# Altium PCB ASP-1-v0.11.PcbDoc (part 3 of 3) (continued)
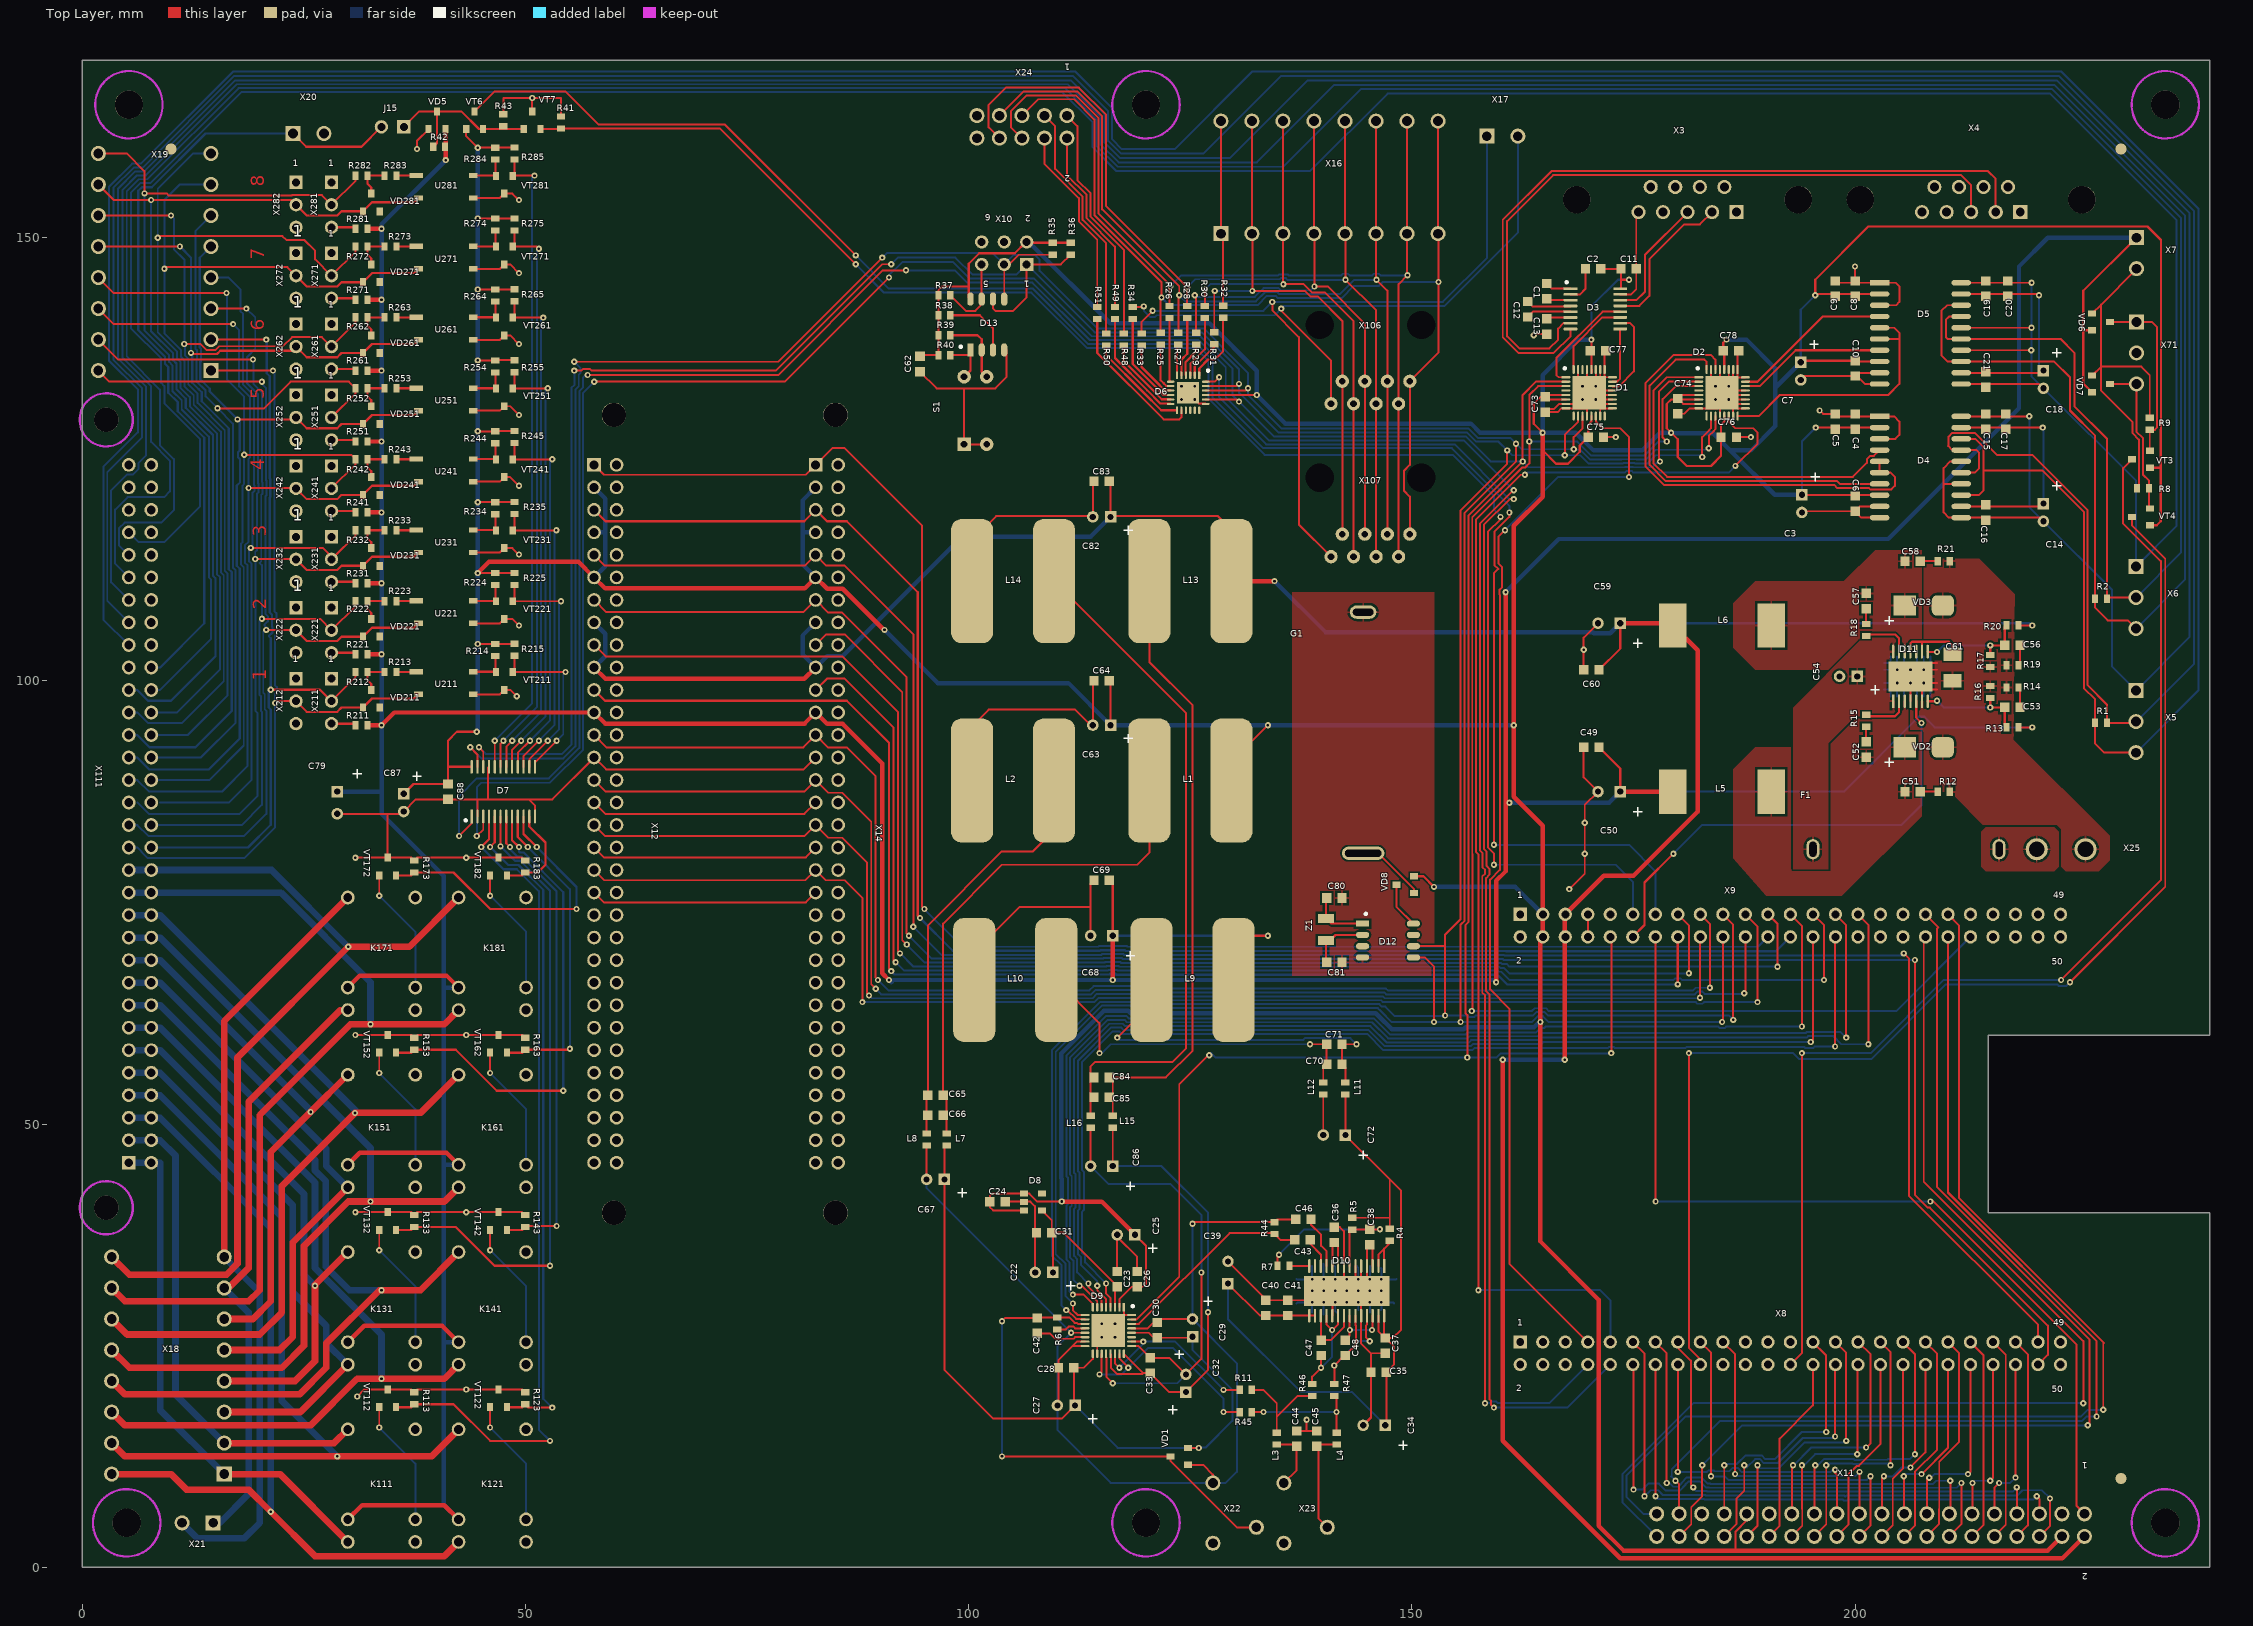
[diagram p0: Top Layer view]
## Nets (pads, with @x,y where several pads share a name; then routed paths per layer and width w, separated by ;. In a path a pad name is that pad's centre, name@x,y a point inside that pad or via, vN(x,y) a via of type N, cw(c..) or ccw(c..) an arc to the next point about the centre after c; other vN are vias at no path point) (continued)
  Bottom Layer w0.25: v1(45,81.25) 47.5,78.75 49,78.75 51.5,76.25 51.5,15.5 v1(52.75,14.25)
ON2: D7.5 R123.2 VT122.2 | length 75.9
  Top Layer w0.25: v1(46,81.25) 46.525,81.775 D7.5@46.525,84.7 ; VT122.2@47.89,18.05 49.615,18.05 R123.2@49.94,18.375 50.315,18 v1(53,18)
  Bottom Layer w0.25: v1(46,81.25) 48.03,79.22 49.195,79.22 52,76.415 52,19 v1(53,18)
ON3: D7.6 R133.2 VT132.2 | length 72.7
  Top Layer w0.25: VT132.2@35.39,38.05 37.115,38.05 R133.2@37.44,38.375 42.125,38.375 46.5,34 v1(52.75,34) ; v1(47.175,81.325) D7.6@47.175,84.7
  Bottom Layer w0.25: v1(47.175,81.325) 48.81,79.69 49.389,79.69 52.75,76.329 v1(52.75,34)
ON4: D7.7 R143.2 VT142.2 | length 54.6
  Top Layer w0.25: D7.7@47.825,84.7 47.825,81.675 v1(48.25,81.25) ; VT142.2@47.89,38.05 49.615,38.05 R143.2@49.94,38.375 50.065,38.5 v1(53.5,38.5)
  Bottom Layer w0.25: v1(48.25,81.25) 48.25,81 49.09,80.16 49.584,80.16 53.5,76.244 v1(53.5,38.5)
ON5: D7.8 R153.2 VT152.2 | length 54.5
  Top Layer w0.25: VT152.2@35.39,58.05 37.115,58.05 R153.2@37.44,58.375 42.125,58.375 46.75,53.75 v1(54.25,53.75) ; D7.8@48.475,84.7 48.475,82.025 v1(49.25,81.25)
  Bottom Layer w0.25: v1(49.25,81.25) 49.25,80.75 49.37,80.63 49.779,80.63 54.25,76.159 v1(54.25,53.75)
ON6: D7.9 R163.2 VT162.2 | length 35.9
  Top Layer w0.25: VT162.2@47.89,58.05 49.615,58.05 R163.2@49.94,58.375 54.875,58.375 v1(55,58.5) ; D7.9@49.125,84.7 49.125,82.375 v1(50.25,81.25)
  Bottom Layer w0.25: v1(50.25,81.25) 55,76.5 v1(55,58.5)
ON7: D7.10 R173.2 VT172.2 | length 35.1
  Top Layer w0.25: VT172.2@35.39,78.05 37.115,78.05 R173.2@37.44,78.375 41.875,78.375 46,74.25 v1(55.75,74.25) ; D7.10@49.775,84.7 49.775,82.725 v1(51.25,81.25)
  Bottom Layer w0.25: v1(51.25,81.25) 55.75,76.75 v1(55.75,74.25)
ON8: D7.11 R183.2 VT182.2 | length 11.1
  Top Layer w0.25: VT182.2@47.89,78.05 49.615,78.05 R183.2@49.94,78.375 51.375,78.375 52.25,79.25 52.25,81.75 50.425,83.575 D7.11@50.425,84.7
RESET_N: D1.2 D2.2 D6.20 D7.3 D9.31 X9.10 | length 393.9
  Top Layer w0.22: v1(44.5,82.5) 45.225,83.225 D7.3@45.225,84.7 ; v1(57.75,133.75) 79.25,133.75 v1(91,145.5) ; D9.31@118.375,27.95 118.95,27.95 123.75,32.75 123.75,54.5 127,57.75 v1(127.125,57.75) ; D6.20@126.725,131.75 130.25,131.75 v1(130.5,131.5) ; v1(156.25,57.5) 156.25,62.288 ; 156.25,62.288 156.07,62.468 156.07,72.455 156.38,72.765 156.38,80.297 156.37,80.307 156.37,118.62 v1(162.5,124.75) 162.5,132.25 164,133.75 D1.2@167.375,133.75 ; X9.10@172.385,71.116 172.5,71.001 v1(172.5,58) ; v1(178,124.75) 177.855,124.895 177.855,132.605 179,133.75 D2.2@182.375,133.75
  Bottom Layer w0.22: v1(44.5,82.5) 44.5,88 45,88.5 52.75,88.5 56.5,92.25 56.5,132.5 v1(57.75,133.75) ; v1(91,145.5) 91,145.75 92.5,147.25 98.25,147.25 100.12,145.38 107.37,145.38 113.87,138.88 126.125,138.88 129.75,135.255 129.75,132.25 v1(130.5,131.5) 134.43,127.57 156.052,127.57 158.872,124.75 v1(162.5,124.75) 163.15,124.1 174.016,124.1 174.036,124.12 174.964,124.12 174.984,124.1 177.1,124.1 v1@177.77,124.77 ; v1(127.125,57.75) 127.375,58 127.875,57.5 v1(156.25,57.5) 159.538,57.5 159.968,57.93 172.43,57.93 v1(172.5,58)
S_IN1: D7.13 R215.1 VT211.1 | length 20
  Top Layer w0.22: R215.1@48.75,102.825 48.75,101.18 VT211.1@48.55,100.98 54.48,100.98 v1(54.5,101) ; D7.13@51.075,90.3 51.075,90.825 v1(53.5,93.25)
  Bottom Layer w0.22: v1(53.5,93.25) 54.25,94 54.25,100.75 v1(54.5,101)
S_IN2: D7.14 R225.1 VT221.1 | length 27.5
  Top Layer w0.22: R225.1@48.75,110.825 48.75,109.18 VT221.1@48.55,108.98 v1(54,108.98) ; D7.14@50.425,90.3 50.425,91.175 v1(52.5,93.25)
  Bottom Layer w0.22: v1(52.5,93.25) 53.75,94.5 53.75,108.73 v1(54,108.98)
S_IN3: D7.15 R235.1 VT231.1 | length 35.6
  Top Layer w0.22: VT231.1@48.55,116.98 v1(53.48,116.98) ; VT231.1@48.57,117 48.75,117.18 R235.1@48.75,118.825 ; D7.15@49.775,90.3 49.775,91.525 v1(51.5,93.25) ; v1@53.23,117 v1@53.75,117
  Bottom Layer w0.22: v1(51.5,93.25) 53.25,95 53.25,116.75 v1(53.48,116.98)
S_IN4: D7.16 R245.1 VT241.1 | length 42.7
  Top Layer w0.22: R245.1@48.75,126.825 48.75,125.18 VT241.1@48.55,124.98 52.98,124.98 v1(53,125) ; D7.16@49.125,90.3 49.125,91.875 v1(50.5,93.25)
  Bottom Layer w0.22: v1(50.5,93.25) 52.75,95.5 52.75,124.75 v1(53,125)
S_IN5: D7.17 R255.1 VT251.1 | length 50.3
  Top Layer w0.22: D7.17@48.475,90.3 48.475,92.225 v1(49.5,93.25) ; R255.1@48.75,134.825 48.75,133.18 VT251.1@48.55,132.98 52.48,132.98 v1(52.5,133)
  Bottom Layer w0.22: v1(49.5,93.25) 52.25,96 52.25,132.75 v1(52.5,133)
S_IN6: D7.18 R265.1 VT261.1 | length 57.8
  Top Layer w0.22: D7.18@47.825,90.3 47.825,92.575 v1(48.5,93.25) ; R265.1@48.75,142.825 48.75,141.18 VT261.1@48.55,140.98 v1(52,140.98)
  Bottom Layer w0.22: v1(48.5,93.25) 51.75,96.5 51.75,140.73 v1(52,140.98)
S_IN7: D7.19 R275.1 VT271.1 | length 65.2
  Top Layer w0.22: D7.19@47.175,90.3 47.175,92.925 v1(47.5,93.25) ; R275.1@48.75,150.825 48.75,149.18 VT271.1@48.55,148.98 51.27,148.98 v1(51.5,148.75)
  Bottom Layer w0.22: v1(47.5,93.25) 51.31,97.06 51.31,148.56 v1(51.5,148.75)
S_IN8: D7.20 R285.1 VT281.1 | length 72.8
  Top Layer w0.22: D7.20@46.525,90.3 v1(46.525,93.25) ; VT281.1@48.55,156.98 VT281.1@48.75,157.18 ; R285.1@48.75,158.825 VT281.1@48.75,157.18 ; v1(51,157) 48.93,157 VT281.1@48.75,157.18
  Bottom Layer w0.22: v1(46.525,93.25) 50.75,97.475 50.75,156.75 v1(51,157)
SPI0CS0: X9.17 X12.A13 X14.A13 | length 161.6
  Top Layer w0.22: X12.A13@57.73,93.89 59.12,92.5 81.34,92.5 X14.A13@82.73,93.89 84.12,92.5 86.25,92.5 89.5,89.25 89.5,66.5 v1(89.75,66.25) ; X9.17@182.545,73.656 183.625,72.576 183.625,65.375 v1(183.62,65.37)
  Bottom Layer w0.22: v1(89.75,66.25) 90.93,65.07 113.618,65.07 114.098,65.55 119.152,65.55 119.422,65.28 147.072,65.28 147.282,65.07 181.736,65.07 182.036,65.37 v1(183.62,65.37)
SPI0DI: X9.18 X12.A17 X14.A17 | length 149.8
  Top Layer w0.22: X12.A17@57.73,83.73 58.96,82.5 81.5,82.5 X14.A17@82.73,83.73 84.165,82.295 85.728,82.295 88.5,79.523 88.5,64.75 v1(88.75,64.5) ; v1(182.5,64.25) 182.5,71.071 X9.18@182.545,71.116
  Bottom Layer w0.22: v1(88.75,64.5) 89.06,64.19 113.982,64.19 114.462,64.67 118.788,64.67 119.058,64.4 146.707,64.4 146.917,64.19 182.44,64.19 v1(182.5,64.25)
SPI0DO: X9.21 X12.A19 X14.A19 | length 156.3
  Top Layer w0.22: X12.A19@57.73,78.65 58.88,77.5 81.58,77.5 X14.A19@82.73,78.65 83.88,77.5 86,77.5 88,75.5 v1(88,63.75) ; X9.21@187.625,73.656 189,72.281 v1(189,63.75)
  Bottom Layer w0.22: v1(88,63.75) 114.164,63.75 114.644,64.23 118.606,64.23 118.876,63.96 146.525,63.96 146.735,63.75 182.038,63.75 182.218,63.57 182.782,63.57 182.962,63.75 v1(189,63.75)
SPI0SCLK: X9.22 X12.A15 X14.A15 | length 158.7
  Top Layer w0.22: X12.A15@57.73,88.81 59.04,87.5 81.42,87.5 X14.A15@82.73,88.81 84.165,87.375 85.728,87.375 89,84.103 89,65.75 v1(89.5,65.25) ; v1(187.5,64.75) 187.625,64.875 X9.22@187.625,71.116
  Bottom Layer w0.22: v1(89.5,65.25) 90.12,64.63 113.8,64.63 114.28,65.11 118.97,65.11 119.24,64.84 146.889,64.84 147.099,64.63 181.918,64.63 182.218,64.93 182.782,64.93 183.022,64.69 187.44,64.69 v1(187.5,64.75)
SWA1: K111.3 X18.1 X111.A1 X111.B1 | length 58.8
  Top Layer w0.75: X18.1@16,10.5 22.29,10.5 K111.3@29.94,2.85
  Bottom Layer w0.75: X111.A1@5.23,45.63 X111.B1@7.77,45.63 8.77,45.63 8.77,17.73 X18.1@16,10.5
SWA2: K121.3 X18.2 X111.A3 X111.B3 | length 96.8
  Top Layer w0.75: X18.2@3.3,10.5 10,10.5 11.75,8.75 18.75,8.75 v1(21.25,6.25) 26.25,1.25 40.84,1.25 K121.3@42.44,2.85
  Bottom Layer w0.75: X111.A3@5.23,50.71 X111.B3@7.77,50.71 8.77,50.71 21.25,38.23 v1(21.25,6.25)
SWA3: K131.3 X18.5 X111.A5 X111.B5 | length 61.4
  Top Layer w0.75: X18.5@16,17.5 24.59,17.5 K131.3@29.94,22.85
  Bottom Layer w0.75: X111.A5@5.23,55.79 X111.B5@7.77,55.79 8.77,55.79 23.75,40.81 23.75,31 27.5,27.25 27.5,25.29 K131.3@29.94,22.85
SWA4: K141.3 X18.6 X111.A7 X111.B7 | length 96.1
  Top Layer w0.75: X18.6@3.3,17.5 4.8,16 25.75,16 31,21.25 v1(33.75,21.25) 40.84,21.25 K141.3@42.44,22.85
  Bottom Layer w0.75: X111.A7@5.23,60.87 X111.B7@7.77,60.87 8.77,60.87 26.25,43.39 26.25,33.75 33.75,26.25 v1(33.75,21.25)
SWA5: K151.3 X18.9 X111.A9 X111.B9 | length 63.2
  Top Layer w0.75: X18.9@16,24.5 22.25,24.5 23.75,26 23.75,36.66 K151.3@29.94,42.85
  Bottom Layer w0.75: X111.A9@5.23,65.95 X111.B9@7.77,65.95 8.77,65.95 27.5,47.22 27.5,45.29 K151.3@29.94,42.85
SWA6: K161.3 X18.10 X111.A11 X111.B11 | length 98.1
  Top Layer w0.75: X18.10@3.3,24.5 5.3,22.5 22.5,22.5 25,25 25,36.25 30,41.25 v1(32.5,41.25) 40.84,41.25 K161.3@42.44,42.85
  Bottom Layer w0.75: X111.A11@5.23,71.03 X111.B11@7.77,71.03 8.77,71.03 32.5,47.3 v1(32.5,41.25)
SWA7: K171.3 X18.13 X21.1 | length 67.6
  Top Layer w0.75: X18.13@16,31.5 16.5,31.5 18.75,33.75 18.75,52.5 29.1,62.85 K171.3@29.94,62.85
  Bottom Layer w0.75: X21.1@14.75,5 15.5,5 18.75,8.25 18.75,28.75 X18.13@16,31.5
SWA8: K181.3 X18.14 X111.A13 X111.B13 | length 101.1
  Top Layer w0.75: X18.14@3.3,31.5 4.8,30 18.75,30 20,31.25 20,51 30.25,61.25 v1(32.5,61.25) 40.84,61.25 K181.3@42.44,62.85
  Bottom Layer w0.75: X111.A13@5.23,76.11 X111.B13@7.77,76.11 22.39,76.11 32.5,66 v1(32.5,61.25)
SWB1: K111.1 K111.6 X18.3 X111.A2 X111.B2 | length 55.3
  Top Layer w0.75: X18.3@16,14 28.39,14 K111.1@29.94,15.55
  Bottom Layer w0.75: X111.A2@5.23,48.17 X111.B2@7.77,48.17 8.77,48.17 10.5,46.44 10.5,19.5 X18.3@16,14
SWB2: K121.1 K121.6 X18.4 X111.A4 X111.B4 | length 93.6
  Top Layer w0.75: X18.4@3.3,14 4.8,12.5 v1(28.75,12.5) 39.39,12.5 K121.1@42.44,15.55
  Bottom Layer w0.75: X111.A4@5.23,53.25 X111.B4@7.77,53.25 8.77,53.25 22.5,39.52 22.5,18.75 v1(28.75,12.5)
SWB3: K131.1 K131.6 X18.7 X111.A6 X111.B6 | length 62.3
  Top Layer w0.75: X18.7@16,21 24,21 26.25,23.25 v1(26.25,31.75) ; v1@26.25,31.86 K131.1@29.94,35.55
  Bottom Layer w0.75: X111.A6@5.23,58.33 X111.B6@7.77,58.33 8.77,58.33 25,42.1 25,33 v1(26.25,31.75)
SWB4: K141.1 K141.6 X18.8 X111.A8 X111.B8 | length 96.2
  Top Layer w0.75: X18.8@3.3,21 4.8,19.5 24.5,19.5 27.5,22.5 27.5,25.25 33.5,31.25 v1(33.75,31.25) 38.14,31.25 K141.1@42.44,35.55
  Bottom Layer w0.75: X111.A8@5.23,63.41 X111.B8@7.77,63.41 8.77,63.41 26.25,45.93 26.25,44.762 27.47,43.542 27.47,33.902 30.122,31.25 v1(33.75,31.25)
SWB5: K151.1 K151.6 X18.11 X111.A10 X111.B10 | length 62.9
  Top Layer w0.75: X18.11@16,28 19.25,28 21.25,30 21.25,46.86 v1(25.75,51.36) K151.1@29.94,55.55
  Bottom Layer w0.75: X111.A10@5.23,68.49 X111.B10@7.77,68.49 8.77,68.49 25.75,51.51 v1(25.75,51.36)
SWB6: K161.1 K161.6 X18.12 X111.A12 X111.B12 | length 95.3
  Top Layer w0.75: X18.12@3.3,28 5.05,26.25 20,26.25 22.5,28.75 22.5,43 v1(30.75,51.25) 38.14,51.25 K161.1@42.44,55.55
  Bottom Layer w0.75: X111.A12@5.23,73.57 X111.B12@7.77,73.57 8.77,73.57 30.75,51.59 v1(30.75,51.25)
SWB7: K171.1 K171.6 X18.15 X21.2 | length 88.2
  Top Layer w0.75: X18.15@16,35 16,61.61 K171.1@29.94,75.55
  Bottom Layer w0.75: X21.2@11.25,5 13,3.25 18.25,3.25 20,5 20,31 X18.15@16,35
SWB8: K181.1 K181.6 X18.16 X111.A14 X111.B14 | length 99.6
  Top Layer w0.75: X18.16@3.3,35 5.3,33 16.25,33 17.5,34.25 17.5,57.5 v1(30,70) 36.89,70 K181.1@42.44,75.55
  Bottom Layer w0.75: X111.A14@5.23,78.65 X111.B14@7.77,78.65 21.35,78.65 v1(30,70)
SYS_5V: X9.7 X9.8 | length 2.5
  Top Layer w0.22: X9.8@169.845,71.116 X9.7@169.845,73.656
USB_D+: X8.47 X12.A5 X14.A5 | length 237.1
  Top Layer w0.22: X12.A5@57.73,114.21 58.94,113 81.52,113 X14.A5@82.73,114.21 83.94,113 86,113 93.75,105.25 v1(93.75,72.25) ; v1(205.5,69.25) 206.07,68.68 206.07,41.93 220.645,27.355 X8.47@220.645,25.396
  Bottom Layer w0.22: v1(93.75,72.25) 96.91,69.09 114.975,69.09 115.044,69.16 117.455,69.16 117.555,69.06 160.414,69.06 160.474,69 205.25,69 v1(205.5,69.25)
USB_D-: X8.48 X12.A7 X14.A7 | length 236.4
  Top Layer w0.22: X12.A7@57.73,109.13 59.11,107.75 81.35,107.75 X14.A7@82.73,109.13 84.165,107.695 85.728,107.695 93,100.423 93,71.5 v1(93.25,71.25) ; v1(206.75,68.5) 206.75,42.038 208.218,40.57 208.43,40.57 221.75,27.25 221.75,23.961 X8.48@220.645,22.856
  Bottom Layer w0.22: v1(93.25,71.25) 95.85,68.65 115.157,68.65 115.227,68.72 117.273,68.72 117.373,68.62 160.232,68.62 160.352,68.5 v1(206.75,68.5)
V_IN: C54.1 D11.1 D11.14 F1.2
VDD_1V8: C22.1 C23.2 C31.2 D8.4 D9.3 | length 19.9
  Top Layer w0.22: D8.4@108.25,40.25 109.365,39.135 C31.2@109.365,37.75 ; C22.1@109.5,33.25 109.5,37.615 C31.2@109.365,37.75 ; D9.3@116.5,29.325 116.5,31.385 C23.2@116.75,31.635 116.75,31.712 110.712,37.75 C31.2@109.365,37.75
VDD_3V3: C2.2 C3.1 C4.1 C5.1 C6.1 C7.1 C8.1 C9.1 C10.1 C11.2 C24.2 C25.1 C26.2 C62.1 C63.1 C64.2 C73.2 C74.2 C75.2 C76.2 C77.2 C78.2 C87.1 C88.2 D1.5 D1.6 D1.13 D1.28 D2.5 D2.6 D2.7 D2.13 D2.28 D3.16 D4.2 D4.8 D5.2 D5.8 D6.21 D7.24 D8.1 D8.3 D9.2 D13.8 L1.1 R35.2 R36.2 R37.2 R38.2 R39.2 R40.2 R214.2 R215.2 R224.2 R225.2 R234.2 R235.2 R244.2 R245.2 R254.2 R255.2 R264.2 R265.2 R274.2 R275.2 R284.2 R285.2 VD8.2 VT3.1 VT4.1 VT6.1 X9.3 X9.4 X10.2 X11.4 X11.31 X12.A2 X12.A4 X12.A6 X14.A2 X14.A4 X14.A6 | length 966.4
  Top Layer w0.22: VT6.1@43.3,162.25 43.3,161.45 v1(44.595,160.155) R284.2@46.6,160.155 46.62,160.175 R285.2@48.75,160.175 ; v1(44.595,104.155) R214.2@46.6,104.155 46.62,104.175 R215.2@48.75,104.175 ; v1(44.595,112.155) R224.2@46.6,112.155 46.62,112.175 R225.2@48.75,112.175 ; v1(44.595,120.155) R234.2@46.6,120.155 46.62,120.175 R235.2@48.75,120.175 ; v1(44.595,128.155) R244.2@46.6,128.155 46.62,128.175 R245.2@48.75,128.175 ; v1(44.595,136.155) R254.2@46.6,136.155 46.62,136.175 R255.2@48.75,136.175 ; v1(44.595,144.155) R264.2@46.6,144.155 46.62,144.175 R265.2@48.75,144.175 ; v1(44.595,152.155) R274.2@46.6,152.155 46.62,152.175 R275.2@48.75,152.175 ; D8.3@106.225,40.25 102.75,40.25 102.385,40.615 C24.2@102.385,41.25 102.385,41.885 102.65,42.15 D8.1@106.25,42.15 106.85,42.15 107.75,41.25 v1(110.5,41.25) ; C64.2@115.865,100 116,99.865 C63.1@116,95 ; D9.2@117,29.325 117,30.25 118.385,31.635 C26.2@119,31.635 119.635,31.635 120,32 120,36.25 C25.1@118.75,37.5 ; L1.1@129.625,88.75 129.625,90.875 v1(133.75,95) ; C2.2@171.315,146.475 C11.2@173.585,146.475 173.585,145.25 173.585,144.335 D3.16@173.5,144.25
  Top Layer w0.25: C87.1@36.25,87.25 37.365,88.365 C88.2@41.25,88.365 41.25,90.3 ; D7.24@43.925,90.3 41.25,90.3 ; v1(44.5,94.25) 42.25,94.25 41.25,93.25 41.25,90.3 ; C62.1@94.5,136.615 94.635,136.75 R40.2@96.575,136.75 R39.2@96.575,139 R38.2@96.575,141.25 R37.2@96.575,143.5 96.575,144.075 97,144.5 100,144.5 ; D13.8@100.195,143.07 100,143.265 100,144.5 ; R36.2@111.5,149.425 R35.2@109.5,149.425 106.635,149.425 X10.2@106.54,149.52 106.47,149.52 105.2,148.25 101.181,148.25 100,147.069 100,144.5 ; D6.21@126.725,132.25 v1(132.5,132.25) ; VD8.2@150.25,77.95 151.3,77.95 v1(152.5,76.75) ; 164.75,126 166.25,124.5 167.603,124.5 168.945,125.842 168.945,126.56 C75.2@169.885,127.5 169.885,128.885 170.25,129.25 D1.13@170.25,129.875 ; v1(164.75,128) 163.75,129 163.75,131.25 164.54,132.04 C73.2@165.05,132.04 ; D1.6@167.375,131.75 165.09,131.75 165.05,131.79 165.51,132.25 D1.5@167.375,132.25 ; C77.2@170.135,137.25 C77.2@170.248,137.362 ; C77.2@170.185,137.425 C77.2@170.247,137.362 ; v1(170.25,138.5) 170.25,137.365 C77.2@170.248,137.362 ; D1.28@170.28,135.095 170.28,134.72 170.25,134.75 D1.28@170.25,135.125 170.25,137.36 C77.2@170.248,137.362 ; 173.585,145.25 v1(174.5,145.25) ; D2.7@182.375,131.25 180.615,131.25 C74.2@180.115,131.75 ; D2.6@182.375,131.75 C74.2@180.115,131.75 ; D2.5@182.375,132.25 180.385,132.25 C74.2@180,131.865 ; D2.13@185.25,129.875 185.25,129.25 184.885,128.885 C76.2@184.885,127.5 184.885,125.385 183.75,124.25 181,124.25 180,125.25 180,127.25 v1(179.25,128) 178.75,128.5 178.75,131.25 179.25,131.75 179.885,131.75 C74.2@180,131.865 ; D2.28@185.25,135.125 185.25,137.135 C78.2@185.135,137.25 185.135,138.135 v1(185.5,138.5) ; 186.5,1.875 186.5,4 187.78,5.28 X11.31@187.78,6.02 ; C7.1@193.875,135.952 194.038,136.115 C10.1@200,136.115 200.088,136.027 D5.8@202.775,136.027 ; C3.1@194,121 194.048,120.952 D4.8@202.775,120.952 ; v1(195.572,128.572) D4.2@202.775,128.572 ; D5.2@202.775,143.647 195.647,143.647 v1(195.5,143.5) 195.5,145.25 201.5,151.25 233,151.25 234.51,149.74 234.51,128.367 234.5,128.357 234.5,118 234.05,117.55 VT4.1@233.25,117.55 ; VT3.1@233.25,124.05 234.45,124.05 234.5,124 ; C74.2@180,131.865 C74.2@180.115,131.75
  Top Layer w0.5: v1(44.595,112.155) 45.87,113.43 55.97,113.43 X12.A6@57.73,111.67 58.975,110.425 81.485,110.425 X14.A6@82.73,111.67 84.025,110.375 85.786,110.375 90.411,105.75 v1(90.5,105.75) ; v1(110.5,41.25) 115,41.25 C25.1@118.75,37.5 ; v1(164.75,128) 164.75,126 164.75,120.75 161.5,117.5 v1(161.5,95) 161.5,86.909 164.765,83.644 X9.3@164.765,73.656 X9.4@164.765,71.116 164.5,70.851 v1(164.5,61.5) 164.5,36.75 171.065,30.185 171.065,4.685 173.875,1.875 186.5,1.875 221.735,1.875 X11.4@223.34,3.48
  Bottom Layer w0.22: v1@44.5,160.25 v1(44.595,160.155)
  Bottom Layer w0.25: v1(170.25,138.5) 170.25,142.25 173.25,145.25 v1(174.5,145.25) ; C7.1@193.875,135.952 193.875,141.875 v1(195.5,143.5) ; C3.1@194,121 194,127 v1(195.572,128.572)
  Bottom Layer w0.5: v1(44.5,94.25) 44.595,94.345 v1(44.595,104.155) v1(44.595,112.155) v1(44.595,120.155) v1(44.595,128.155) v1(44.595,136.155) v1(44.595,144.155) v1(44.595,152.155) v1(44.595,160.155) ; X12.A6@57.73,111.67 59,112.94 59,116.75 ; X12.A4@57.73,116.75 59,116.75 ; X12.A2@57.73,121.83 59,120.56 59,116.75 ; X14.A6@82.73,111.67 81.25,113.15 81.25,116.75 ; X14.A4@82.73,116.75 81.25,116.75 ; X14.A2@82.73,121.83 81.25,120.35 81.25,116.75 ; v1(90.5,105.75) 96.5,99.75 111.25,99.75 C63.1@116,95 v1(133.75,95) v1(161.5,95) ; X10.2@106.54,149.52 106.787,149.52 115.967,140.34 127.16,140.34 132.5,135 v1(132.5,132.25) 135.72,129.03 156.657,129.03 157.687,128 v1(164.75,128) ; v1(110.5,41.25) 110.5,43.805 110.43,43.875 110.43,57.951 115.249,62.77 118.001,62.77 118.271,62.5 145.92,62.5 146.25,62.17 146.26,62.17 147.75,60.68 155.84,60.68 156.08,60.92 163.779,60.92 164.359,61.5 v1(164.5,61.5) ; v1(152.5,76.75) 161.671,76.75 X9.3@164.765,73.656 ; v1(170.25,138.5) 168.75,138.5 164.75,134.5 v1(164.75,128) ; v1(185.5,138.5) 187.75,138.5 191,135.25 191,133.077 ; C7.1@193.875,135.952 191,133.077 ; C3.1@194,121 190.93,121 185.93,126 ; v1(164.75,128) 168.5,128 170.5,126 173.229,126 173.249,126.02 175.751,126.02 175.771,126 176,126 178,128 v1(179.25,128) 179.32,127.93 184,127.93 185.93,126 ; 185.93,126 188.25,126 191,128.75 191,133.077
VDD_5V: C59.1 C60.2 C82.1 C83.2 L6.2 L13.1 R20.1 X9.5 X9.6 X11.2 X12.A8 X12.A10 X14.A8 X14.A10 | length 390.8
  Top Layer w0.25: C83.2@115.865,122.5 116,122.365 C82.1@116,118.595 ; C82.1@116,118.5 C82.1@116,118.595 ; L13.1@129.625,111.25 129.625,111.5 129.625,117.065 128.095,118.595 C82.1@116,118.595 ; C60.2@171.115,101.25 173.5,103.635 C59.1@173.5,106.5 ; R20.1@218.425,106.25 v1(220,106.25)
  Top Layer w0.5: X12.A10@57.73,101.51 59.015,100.225 81.445,100.225 X14.A10@82.73,101.51 ; L13.1@129.625,111.5 129.875,111.25 v1(134.5,111.25) ; v1(160.25,57.25) 160.25,14.25 173.5,1 223.4,1 X11.2@225.88,3.48 ; v1(167.25,57.25) 167.25,73.601 X9.5@167.305,73.656 171.649,78 175,78 182.25,85.25 182.25,103.45 L6.2@179.45,106.25 179.2,106.5 C59.1@173.5,106.5
  Bottom Layer w0.25: C59.1@173.5,106.5 219.75,106.5 v1(220,106.25)
  Bottom Layer w0.5: X12.A10@57.73,101.51 59,102.78 59,105.32 X12.A8@57.73,106.59 ; X14.A8@82.73,106.59 81.25,105.11 81.25,102.99 X14.A10@82.73,101.51 84.025,102.805 85.786,102.805 99.231,116.25 113.75,116.25 C82.1@116,118.5 ; v1(134.5,111.25) 140.25,105.5 170.416,105.5 170.536,105.38 172.38,105.38 C59.1@173.5,106.5 ; v1(160.25,57.25) v1(167.25,57.25)
VDD_12V: C49.2 C50.1 C68.1 C69.2 C79.1 K111.2 K121.2 K131.2 K141.2 K151.2 K161.2 K171.2 K181.2 L5.1 L9.1 R13.2 R42.2 R211.1 R221.1 R231.1 R241.1 R251.1 R261.1 R271.1 R281.1 VD5.2 VD6.2 VD7.2 X7.1 X12.A12 X14.A12 | length 669.9
  Top Layer w0.25: C69.2@115.865,77.5 116.25,77.115 C68.1@116.25,71.25 ; L9.1@129.875,72.875 129.875,71.25 v1(133.75,71.25) ; C49.2@171.115,92.5 173.5,90.115 C50.1@173.5,87.5 ; R13.2@218.425,94.75 v1(220,94.75) ; VD7.2@226.75,132.55 225.75,133.55 225.75,139.5 ; VD6.2@226.75,139.55 225.8,139.55 225.75,139.5 ; X7.1@231.75,150 225.75,144 225.75,139.5
  Top Layer w0.5: K111.2@29.94,5.39 31.55,7 40.83,7 K121.2@42.44,5.39 ; K131.2@29.94,25.39 31.8,27.25 40.58,27.25 K141.2@42.44,25.39 ; K151.2@29.94,45.39 31.3,46.75 41.08,46.75 K161.2@42.44,45.39 ; K171.2@29.94,65.39 31.3,66.75 41.08,66.75 K181.2@42.44,65.39 ; R211.1@32.175,95 v1(33.75,95) 35.18,96.43 X12.A12@57.73,96.43 58.985,95.175 81.475,95.175 X14.A12@82.73,96.43 84.025,95.135 85.786,95.135 90.25,90.671 90.25,67 v1(91,66.25) ; R221.1@32.175,103 v1(33.75,103) ; R231.1@32.175,111 v1(33.75,111) ; R241.1@32.175,119 v1(33.75,119) ; R251.1@32.175,127 v1(33.75,127) ; R261.1@32.175,135 v1(33.75,135) ; R271.1@32.175,143 v1(33.75,143) ; R281.1@32.175,151 v1(33.75,151) ; VD5.2@40.95,162.25 41,162.2 v1(41,158.75) ; v1(116.25,66.25) C68.1@116.25,71.25 ; v1(159.5,66) 159.5,77.43 160.57,78.5 v1(160.57,110) ; C50.1@173.5,87.5 L5.1@179.45,87.5
  Bottom Layer w0.25: C68.1@116.25,71.25 v1(133.75,71.25) ; C50.1@173.5,87.5 198.75,87.5 207.195,95.945 207.805,95.945 209,94.75 v1(220,94.75)
  Bottom Layer w0.5: C79.1@28.75,87.5 33.75,87.5 ; v1(41,158.75) 33.75,151.5 v1(33.75,151) v1(33.75,143) v1(33.75,135) v1(33.75,127) v1(33.75,119) v1(33.75,111) v1(33.75,103) v1(33.75,95) 33.75,87.5 ; K121.2@42.44,5.39 40.75,7.08 40.75,25.5 ; K141.2@42.44,25.39 40.86,25.39 40.75,25.5 ; K161.2@42.44,45.39 40.86,45.39 40.75,45.5 ; K181.2@42.44,65.39 40.89,65.39 40.75,65.25 ; v1(91,66.25) 91.25,66 91.5,66.25 v1(116.25,66.25) 159.25,66.25 v1(159.5,66) ; v1(160.57,110) 166.57,116 203.75,116 218.5,130.75 218.5,146.75 221.75,150 X7.1@231.75,150 ; v1(161,86.25) 172.25,86.25 C50.1@173.5,87.5 ; 33.75,87.5 33.75,85 40.75,78 40.75,65.25 ; 40.75,25.5 40.75,45.5 ; 40.75,45.5 40.75,65.25
VDD_ADC: X9.32
WP: D13.7 R37.1 X10.5 | length 9.1
  Top Layer w0.22: R37.1@97.925,143.5 99.675,141.75 100.75,141.75 101.465,142.465 D13.7@101.465,143.07 101.465,146.975 X10.5@101.46,146.98
pads on no net: D1.4 D1.9 D1.16 D1.30 D2.4 D2.9 D6.15 D6.16 D6.17 D6.18 D8.5 D9.27 D10.13 D11.10 D12.3 D12.7 K111.4 K121.4 K131.4 K141.4 K151.4 K161.4 K171.4 K181.4 VD211.2 VD221.2 VD231.2 VD241.2 VD251.2 VD261.2 VD271.2 VD281.2 X3.0 X3.1 X3.4 X3.6 X3.7 X3.8 X3.9 X4.0 X4.1 X4.4 X4.6 X4.7 X4.8 X4.9 X8.49 X8.50 X9.9 X9.41 X9.47 X9.48 X9.49 X9.50 X11.35 X12.0 X12.A21 X12.A22 X12.A23 X12.A24 X12.A25 X12.A26 X12.A27 X12.A28 X12.A29 X12.A30 X12.A31 X12.A32 X12.B1 X12.B2 X12.B3 X12.B4 X12.B5 X12.B6 X12.B7 X12.B8 X12.B9 X12.B10 X12.B11 X12.B12 X12.B13 X12.B14 X12.B15 X12.B16 X12.B17 X12.B18 X12.B19 X12.B20 X12.B21 X12.B22 X12.B23 X12.B24 X12.B25 X12.B26 X12.B27 X12.B28 X12.B29 X12.B30 X12.B31 X12.B32 X14.0 X14.A21 X14.A22 X14.A23 X14.A24 X14.A25 X14.A26 X14.A27 X14.A28 X14.A29 X14.A30 X14.A31 X14.A32 X14.B1 X14.B2 X14.B3 X14.B4 X14.B5 X14.B6 X14.B7 X14.B8 X14.B9 X14.B10 X14.B11 X14.B12 X14.B13 X14.B14 X14.B15 X14.B16 X14.B17 X14.B18 X14.B19 X14.B20 X14.B21 X14.B22 X14.B23 X14.B24 X14.B25 X14.B26 X14.B27 X14.B28 X14.B29 X14.B30 X14.B31 X14.B32 X22.3 X23.3 X24.9 X24.10 X71.2 X106.0 X107.0 X111.0 X111.A30 X111.A31 X111.A32 X111.B24 X111.B25 X111.B26 X111.B27 X111.B28 X111.B29 X111.B30 X111.B31 X111.B32 X211.1 X212.1 X221.1 X222.1 X231.1 X232.1 X241.1 X242.1 X251.1 X252.1 X261.1 X262.1 X271.1 X272.1 X281.1 X282.1

## Polygon pours and split planes (outlines as drawn)
GND on Top Layer "GND_L01_P016" (solid, pour order 16): 136.5,110 152.5,110 152.5,66.75 136.5,66.75
GND on Top Layer "GND_L01_P010" (solid, pour order 10): 207.75,113.75 214,113.75 218,109.75 217.875,93.375 228.75,82.5 228.75,79.75 227.5,78.5 224.5,78.5 223.75,78.5 223.25,79 223.25,83.25 222.75,83.75 214.425,83.75 210.675,87.5 207.75,87.5 207.75,94.25 207.5,94.5 206.25,94.5 206.25,98.5 206.25,102.25 208.75,102.25 212.25,102.25 212.25,103.75 212,104 208.5,104 207.75,104.75
NetC57_2 on Top Layer "NETC57_2_L01_P006" (solid, pour order 6): 205,102.75 206.25,102.75 206.25,103.07 207.55,104.37 207.5,104.42 207.5,114.75 202.25,114.75 198.75,111.25 188.75,111.25 186.25,108.75 186.25,103.75 188.75,101.25 197,101.25 201,105.25 201.25,105 205,105
NetF1_1 on Top Layer "NETF1_1_L01_P004" (solid, pour order 4): 214.25,83 214.75,83.5 222.5,83.5 223,83 223,79 222.5,78.5 214.75,78.5 214.25,79
NetC51_2 on Top Layer "NETC51_2_L01_P002" (solid, pour order 2): 205.25,98.75 206,98.75 206,94.25 207.5,94.25 207.5,84.75 198.75,76 198.5,75.75 190,75.75 186.25,80 186.25,90 188.75,92.5 192.75,92.5 192.75,78.75 193,78.5 197.25,78.5 197.25,93 200,95.75 204.75,95.75 205.25,96.25
V_IN on Top Layer "V_IN_L01_P000" (solid, pour order 0): 193,78.75 197,78.75 197,79 197,92.98 200.02,96 204.5,96 204.95,96.45 205,96.5 205,98.5 204.75,98.75 203.75,98.75 203.75,102.25 204.75,102.25 205,102.5 204.95,102.55 204.95,104.8 204.52,105.23 201.75,105.23 201.25,105.23 193,96.98 193,84.5
GND on Bottom Layer "GND_L02_P012" (solid, pour order 12): 196.75,99.5 198.75,97.5 207.25,97.5 208,97.5 208.75,98.25 208.75,102.25 208.75,102.75 207.75,103.75 198.75,103.75 196.75,101.75
AGND2 on Bottom Layer "AGND2_L02_P014" (solid, remove dead copper, pour order 14): 127.5,50 150,50 150,11.25 127.5,11.25
GND on Bottom Layer "GND_L02_P018" (hatched 90Degree grid 0.5 track 0.25, remove dead copper, pour order 18): 0,0 0,170 240,170 240,0

## Keep-outs
Keep-Out Layer:
  circle w0.254: c2.69,129.45 r3
  circle w0.254: c2.69,40.55 r3
  circle w0.254: c5.25,165 r3.8
  circle w0.254: c120,165 r3.8
  circle w0.254: c235,165 r3.8
  circle w0.254: c235,5 r3.8
  circle w0.254: c5,5 r3.8
  circle w0.254: c120,5 r3.8

## Other copper
Top Layer:
  text "8" at 20.5,155.75 h1.52 r90
  text "7" at 20.5,147.5 h1.52 r90
  text "6" at 20.5,139.5 h1.52 r90
  text "5" at 20.5,131.75 h1.52 r90
  text "4" at 20.5,123.75 h1.52 r90
  text "3" at 20.75,116.25 h1.52 r90
  text "2" at 20.75,108 h1.52 r90
  text "1" at 20.75,100 h1.52 r90

## Silkscreen, mask and mechanical layers (free items; w line width, h text height)
Mechanical 15:
  the board outline again, w0.254

## Text inside footprints (layer, text, board x,y; h text height)
D1: Mechanical 1 "1" at 166.5,134.5 h1; Mechanical 1 "9." at 168,129 h1 r90; Mechanical 1 "17" at 173.5,130.5 h1 r180; Mechanical 1 "25" at 172,136 h1 r270
D2: Mechanical 1 "1" at 181.5,134.5 h1; Mechanical 1 "9." at 183,129 h1 r90; Mechanical 1 "17" at 188.5,130.5 h1 r180; Mechanical 1 "25" at 187,136 h1 r270
D9: Mechanical 1 "1" at 117.75,30.2 h1 r270; Mechanical 1 "9." at 112.25,28.7 h1; Mechanical 1 "17" at 113.75,23.2 h1 r90; Mechanical 1 "25" at 119.25,24.7 h1 r180
X8: Top Overlay "50" at 222.165,19.726 h0.75; Top Overlay "49" at 222.365,27.226 h0.75; Top Overlay "1" at 161.865,27.226 h0.75; Top Overlay "2" at 161.765,19.826 h0.75
X9: Top Overlay "50" at 222.165,67.986 h0.75; Top Overlay "49" at 222.365,75.486 h0.75; Top Overlay "1" at 161.865,75.486 h0.75; Top Overlay "2" at 161.765,68.086 h0.75
X10: Top Overlay "6" at 102.48,152.65 h0.75 r180; Top Overlay "5" at 102.28,145.15 h0.75 r180; Top Overlay "2" at 107,152.55 h0.75 r180; Top Overlay "1" at 106.9,145.15 h0.75 r180
X11: Top Overlay "2" at 226.261,-0.711 h0.75 r180; Top Overlay "1" at 226.261,11.862 h0.75 r180
X24: Top Overlay "2" at 111.461,157.039 h0.75 r180; Top Overlay "1" at 111.461,169.612 h0.75 r180
X211: Top Overlay "1" at 27.74,102.08 h0.75
X212: Top Overlay "1" at 23.74,102.08 h0.75
X221: Top Overlay "1" at 27.74,110.08 h0.75
X222: Top Overlay "1" at 23.74,110.08 h1.27
X231: Top Overlay "1" at 27.74,118.08 h0.75
X232: Top Overlay "1" at 23.74,118.08 h1.27
X241: Top Overlay "1" at 27.74,126.08 h0.75
X242: Top Overlay "1" at 23.74,126.08 h1.27
X251: Top Overlay "1" at 27.74,134.08 h0.75
X252: Top Overlay "1" at 23.74,134.08 h1.27
X261: Top Overlay "1" at 27.74,142.08 h0.75
X262: Top Overlay "1" at 23.74,142.08 h1.27
X271: Top Overlay "1" at 27.74,150.08 h0.75
X272: Top Overlay "1" at 23.74,150.08 h1.27
X281: Top Overlay "1" at 27.74,158.08 h0.75
X282: Top Overlay "1" at 23.74,158.08 h0.75